# KiCad board pce-gt-controller.kicad_pcb
title: PC Engine GT Controller PCB (Original); date: 2023-12-31; rev: BF1.1; company: The Board Folk Team
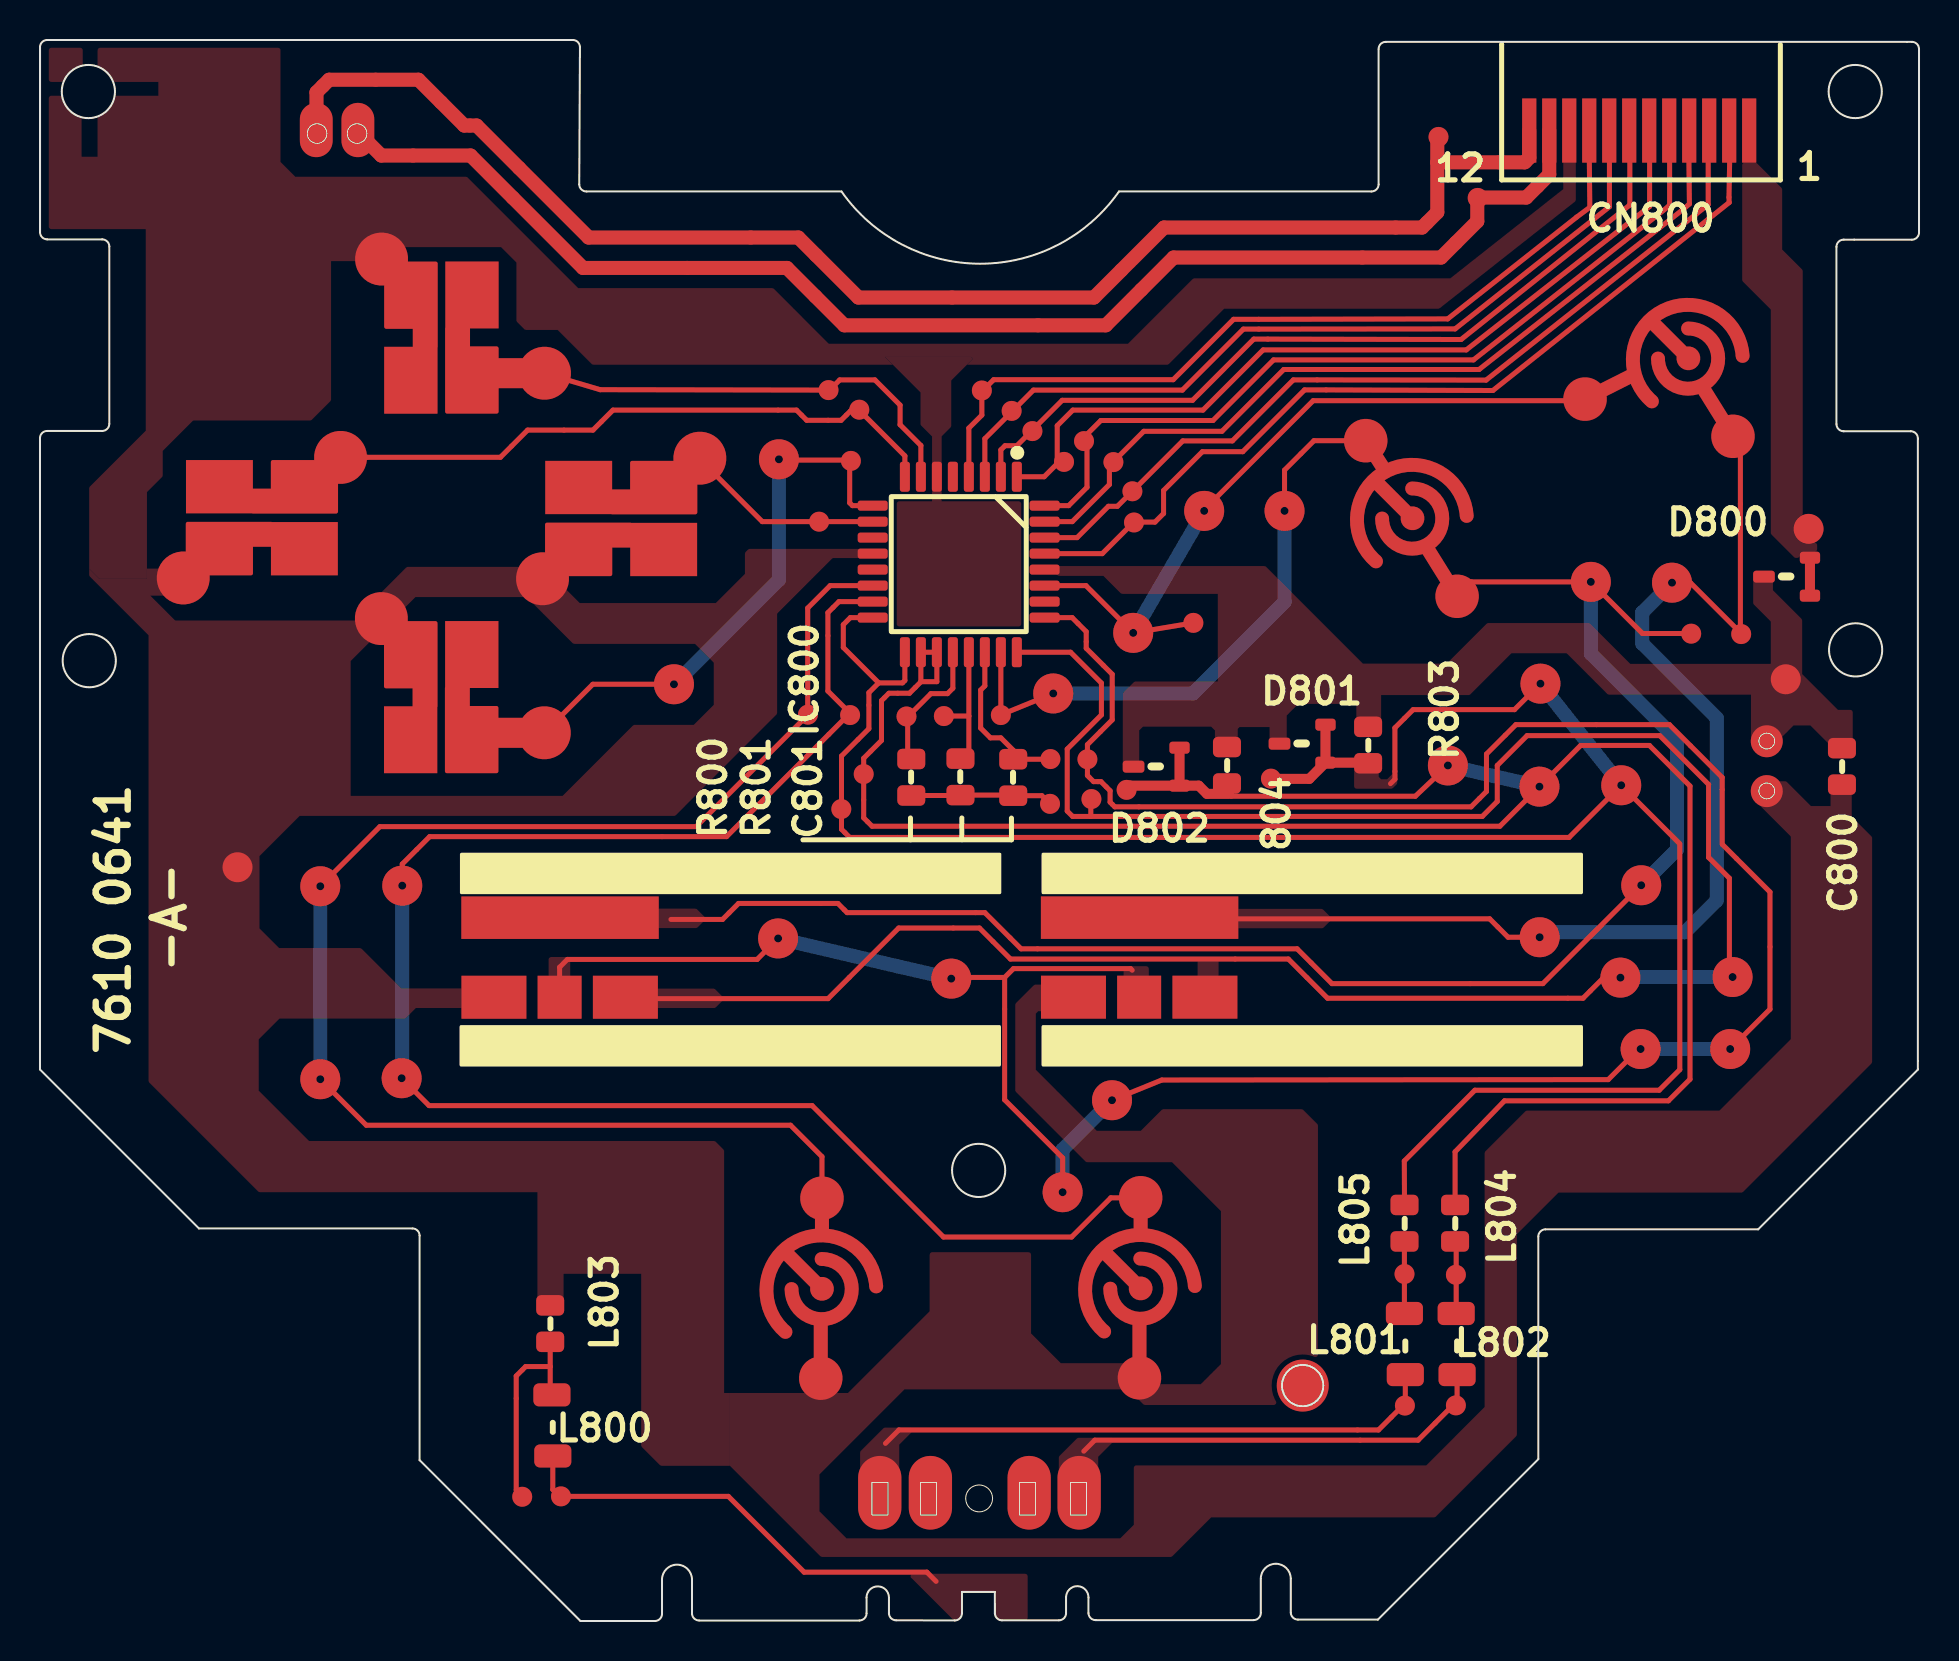
[diagram p0: board, top side]
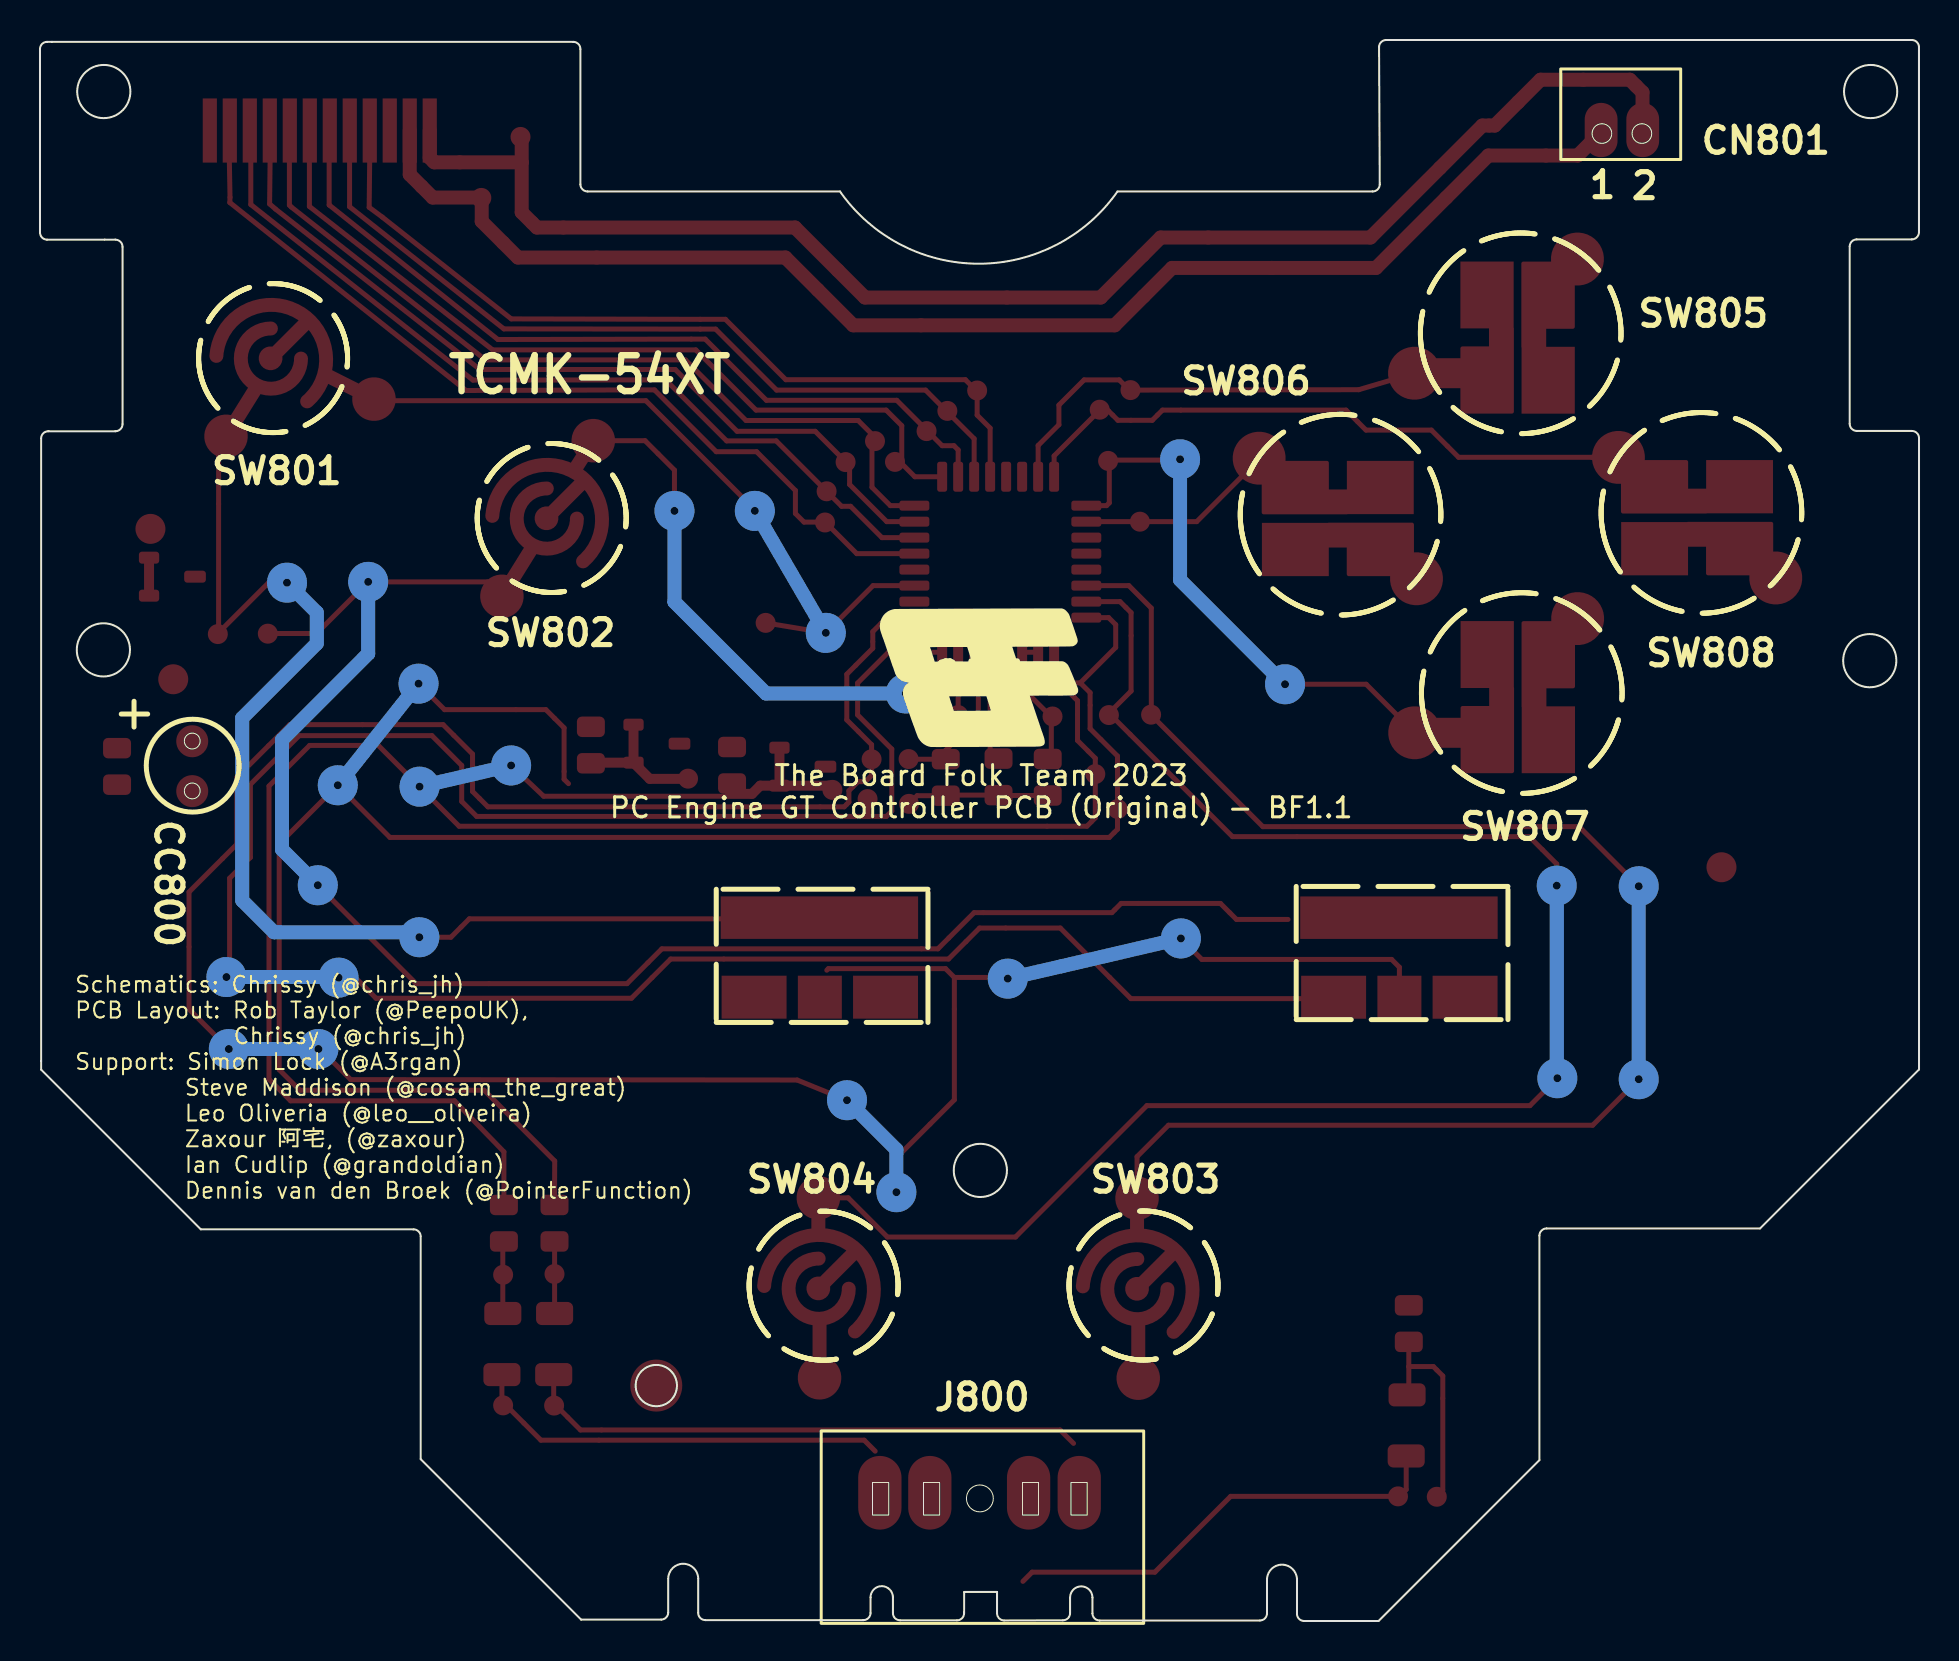
[diagram p1: board, bottom side, seen from below]

Outline 93.98 x 79.06 mm; copper layers: Top, Bottom. Coordinates in mm from the lower left corner of the outline.
Outline path: circle c2.42,76.48 r1.33 ; circle c2.46,48.02 r1.33 ; circle c46.95,22.53 r1.33 ; circle c63.16,11.77 r1.03 ; circle c90.79,76.48 r1.33 ; circle c90.81,48.56 r1.33 ; 66.59,71.49 53.97,71.49 arc(47.03,67.87) 40.09,71.49 27.33,71.49 arc(27.08,71.59) 26.97,71.84 27.01,78.7 arc(26.9,78.96) 26.65,79.06 0.36,79.06 arc(0.11,78.96) 0,78.7 0,69.45 arc(0.11,69.19) 0.36,69.09 3.11,69.09 arc(3.36,68.99) 3.47,68.73 3.47,59.87 arc(3.36,59.61) 3.11,59.51 0.36,59.51 arc(0.1,59.41) 0,59.15 0,27.58 7.95,19.63 18.63,19.63 arc(18.88,19.53) 18.99,19.27 18.99,8.04 27.03,0 30.75,0 arc(31.01,0.1) 31.11,0.36 31.11,2.07 arc(31.86,2.82) 32.61,2.07 32.61,0.38 arc(32.72,0.13) 32.97,0.03 40.98,0.03 arc(41.24,0.13) 41.34,0.38 41.34,1.17 arc(41.9,1.73) 42.46,1.17 42.46,0.39 arc(42.57,0.14) 42.82,0.04 45.76,0.03 arc(46.01,0.13) 46.11,0.39 46.11,1.45 47.76,1.45 47.76,0.39 arc(47.87,0.14) 48.12,0.03 50.96,0.04 arc(51.22,0.14) 51.32,0.39 51.32,1.18 arc(51.88,1.74) 52.44,1.18 52.44,0.4 arc(52.55,0.15) 52.8,0.05 60.7,0.05 arc(60.96,0.15) 61.06,0.4 61.06,2.11 arc(61.81,2.86) 62.56,2.11 62.56,0.43 arc(62.67,0.17) 62.92,0.07 66.92,0.07 74.94,8.09 74.94,19.23 arc(75.05,19.48) 75.3,19.59 85.94,19.59 93.93,27.57 93.93,59.14 arc(93.82,59.39) 93.57,59.5 90.21,59.5 arc(89.96,59.6) 89.86,59.85 89.86,68.72 arc(89.96,68.97) 90.21,69.08 93.63,69.08 arc(93.88,69.18) 93.98,69.43 93.98,78.61 arc(93.88,78.86) 93.63,78.97 67.31,78.97 arc(67.06,78.86) 66.96,78.61 ; 66.6,71.49 arc(66.85,71.59) 66.95,71.84 66.95,78.6

## Placement (name value [footprint] x y rotation side)
C800  10nF  [Resistor 0805 SMD]  90.13 42.74 270 top
C801  15nF  [Resistor 0805 SMD]  48.68 42.18 90 top
CC800  47uF 6.3v  [CC800 Electrolytic]  86.37 43.99 270 top
CN800  Conn_01x12  [CN800]  79.51 74.22 0 top
CN801  AUDIO  [CN801]  14.86 75.22 0 top
D800  BAV70  [Diode SOT-23]  87.36 52.23 0 top
D801  BAV70  [Diode SOT-23]  63.13 43.88 0 top
D802  BAV70  [Diode SOT-23]  55.83 42.73 0 top
G***  LOGO  [BoardFolk]  47.01 47.17 180 bottom
IC800  BU5782K  [IC800]  45.82 52.88 270 top
J800  LINK  [J800]  47.02 6.91 0 top
L800  FerriteBead_Small  [Ferrite]  25.66 9.69 180 top
L801  FerriteBead_Small  [Ferrite]  68.3 13.76 180 top
L802  FerriteBead_Small  [Ferrite]  70.89 13.76 180 top
L803  FerriteBead_Small  [Resistor 0805 SMD]  25.52 14.87 270 top
L804  FerriteBead_Small  [Resistor 0805 SMD]  70.78 19.89 270 top
L805  FerriteBead_Small  [Resistor 0805 SMD]  68.25 19.89 270 top
NOREF  -  [unnamed]  49.64 59.5 0 top
NOREF#2  -  [unnamed]  40.56 58.01 0 top
NOREF#3  -  [unnamed]  61.57 42.12 0 top
NOREF#4  -  [unnamed]  43.34 45.23 0 top
NOREF#5  -  [unnamed]  38.41 45.32 0 top
NOREF#6  -  [unnamed]  38.97 54.97 0 top
NOREF#7  -  [unnamed]  48.06 45.3 0 top
NOREF#8  -  [unnamed]  39.44 61.55 0 top
NOREF#9  -  [unnamed]  54.72 54.93 0 top
NOREF#10  -  [unnamed]  52.59 41.1 0 top
NOREF#11  -  [unnamed]  52.39 43.09 0 top
NOREF#12  -  [unnamed]  24.12 6.21 0 top
NOREF#13  -  [unnamed]  54.64 56.49 0 top
NOREF#14  -  [unnamed]  54.35 41.56 0 top
NOREF#15  -  [unnamed#2]  87.32 47.09 0 top
NOREF#16  -  [unnamed]  52.22 59 0 top
NOREF#17  -  [unnamed]  85.09 49.35 0 top
NOREF#18  -  [unnamed]  53.69 57.95 0 top
NOREF#19  -  [unnamed#3]  63.16 11.77 0 top
NOREF#20  -  [unnamed]  47.11 61.53 0 top
NOREF#21  -  [unnamed]  40.52 45.3 0 top
NOREF#22  -  [unnamed]  70.82 17.31 0 top
NOREF#23  -  [unnamed]  40.08 40.6 0 top
NOREF#24  -  [unnamed]  45.21 45.25 0 top
NOREF#25  -  [unnamed]  50.52 40.86 0 top
NOREF#26  -  [unnamed]  69.95 74.21 0 top
NOREF#27  -  [unnamed]  68.27 10.77 0 top
NOREF#28  -  [unnamed]  70.82 10.78 0 top
NOREF#29  -  [unnamed]  51.22 57.96 0 top
NOREF#30  -  [unnamed]  57.69 49.91 0 top
NOREF#31  -  [unnamed]  41.2 42.35 0 top
NOREF#32  -  [unnamed#2]  9.88 37.69 0 top
NOREF#33  -  [unnamed]  71.91 71.16 0 top
NOREF#34  -  [unnamed]  68.25 17.35 0 top
NOREF#35  -  [unnamed#2]  88.46 54.61 0 top
NOREF#36  -  [unnamed]  50.54 43.1 0 top
NOREF#37  -  [unnamed]  82.59 49.37 0 top
NOREF#38  -  [unnamed]  40.98 60.57 0 top
NOREF#39  -  [unnamed]  48.6 60.51 0 top
NOREF#40  -  [unnamed]  26.06 6.23 0 top
R800  9.1K  [Resistor 0805 SMD]  43.58 42.19 90 top
R801  100K  [Resistor 0805 SMD]  46.04 42.21 90 top
R803  1.1K ??  [Resistor 0805 SMD]  66.43 43.8 270 top
R804  1.1K ??  [Resistor 0805 SMD]  59.37 42.79 270 top
SW801  I  [Switch Type 3]  82.45 58.46 0 top
SW802  II  [Switch Type 2]  68.6 55.15 0 top
SW803  SELECT  [Switch Type 1]  39.01 12.19 0 top
SW804  RUN  [Switch Type 1]  54.95 12.21 0 top
SW805  UP  [Switch Type 4]  20.1 67.61 0 top
SW806  RIGHT  [Switch Type 5]  28.95 55.14 0 top
SW807  DOWN  [Switch Type 4]  20.09 49.63 0 top
SW808  LEFT  [Switch Type 5]  10.98 55.18 0 top
SW809  I TURBO  [Turbo Switch]  55.04 36.34 0 top
SW810  II TURBO  [Turbo Switch]  26.05 36.33 0 top

## Library data of the parts
C800 C801 = -: Description: Unpolarized capacitor, small symbol
CC800 = -: Description: Polarized capacitor, small symbol
CN800 = -: Description: Generic connector, single row, 01x12, script generated (kicad-library-utils/schlib/autogen/connector/)
CN801 = -: Description: Generic connector, single row, 01x02, script generated (kicad-library-utils/schlib/autogen/connector/)
D800-D802 = -: Description: Dual 100V 215mA high-speed switching diodes, common cathode, SOT-23
J800 = -: Description: Audio Jack, 2 Poles (Mono / TS), Grounded Sleeve
L800-L805 = -: Description: Ferrite bead, small symbol
R800 R801 R803 R804 = -: Description: Resistor, small symbol
SW801-SW808 = -: Description: Push button switch, generic, two pins
SW809 SW810 = -: Description: Switch, three position, single pole triple throw, 3 position switch, SP3T

## Footprints (pads in the part's own frame, mm; a bottom-side part is the same pattern mirrored in y, then rotated)
CC800 Electrolytic
  round 1.6 smd: 1(0,0) 2(2.494,0)
CN800
  rect 0.71x3.21 smd: 1(5.98,0.31) 2(4.98,0.31) 3(3.98,0.31) 4(2.98,0.31) 5(1.98,0.31) 6(0.98,0.31) 7(-0.02,0.31) 8(-1.02,0.31) 9(-2.02,0.31) 10(-3.02,0.31) 11(-4.02,0.31) 12(-5.02,0.31)
CN801
  oval 1.643x2.715 smd: 1(-1.041,-0.664) 2(1.04,-0.664)
Diode SOT-23
  rrect 1.015x0.6 smd: 1(1.167,-0.96) 2(1.167,0.94)
  rrect 1.085x0.6 smd: 3(-1.133,-0.01)
Ferrite
  rrect 1.854x1.154 smd: 1(0.055,-1.615) 2(0.01,1.44)
IC800
  rrect 1.5x0.5 smd: 1(-4.345,3.04) 2(-4.345,2.24) 3(-4.345,1.44) 4(-4.345,0.64) 5(-4.345,-0.16) 6(-4.345,-0.96) 7(-4.345,-1.76) 8(-4.345,-2.56) 17(4.43,-2.56) 18(4.43,-1.76) 19(4.43,-0.96) 20(4.43,-0.16) 21(4.43,0.64) 22(4.43,1.44) 23(4.43,2.24) 24(4.43,3.04)
  rrect 0.5x1.5 smd: 9(-2.9,-4.17) 10(-2.1,-4.17) 11(-1.3,-4.17) 12(-0.5,-4.17) 13(0.3,-4.17) 14(1.1,-4.17) 15(1.9,-4.17) 16(2.7,-4.17) 25(2.7,4.43) 26(1.9,4.43) 27(1.1,4.43) 28(0.3,4.43) 29(-0.5,4.43) 30(-1.3,4.43) 31(-2.1,4.43) 32(-2.9,4.43)
J800
  oval 2.165x3.685 smd: G(-2.48,-0.497) G(2.46,-0.497) S(-5.013,-0.497) T(4.96,-0.497)
Resistor 0805 SMD
  rrect 1.025x1.4 smd: 1(-0.912,0) 2(0.912,0)
Switch Type 1
  custom 6.188x8.123 smd: 1(0.1,8.95)
  custom 3.708x7.399 smd: 2(0.04,-0.05)
Switch Type 2
  custom 6.491x7.473 smd: 1(-2.29,3.87)
  custom 5.189x6.829 smd: 2(2.28,-3.91)
Switch Type 3
  custom 9.321x6.151 smd: 1(-5.17,2.64)
  custom 5.189x6.829 smd: 2(2.23,0.78)
Switch Type 4
  custom 6.295x7.605 smd: 1(1.506,-1.298)
  custom 4.131x9.057 smd: 2(-1.551,-5.56)
Switch Type 5
  custom 9.057x4.131 smd: 1(-2.01,1.54) 2(2.24,-1.56)
Turbo Switch
  rect 3.25x2.15 smd: 1(-3.35,-5.14) 4(3.225,-5.14)
  rect 2.2x2.15 smd: 2(-0.065,-5.14)
  rect 9.875x2.125 smd: 3(-0.043,-1.163)
unnamed
  round 1 smd: 0(0,0)
unnamed#2
  round 1.5 smd: 0(0,0)
unnamed#3
  round 2.6 smd: 0(0,0)

## Nets
+5v: CN800.1 D800.1 D800.2 NOREF#35.0
GND: C800.2 CC800.2 CN800.10 IC800.6 IC800.12 L803.1 NOREF#32.0 SW803.2 SW804.2 SW805.2 SW806.2 SW807.2 SW808.2 SW809.1 SW810.1
VCC: C800.1 CC800.1 D800.3 D801.3 D802.3 IC800.28 NOREF#15.0 R803.1 R804.1
AUDIO_L: CN800.11 CN801.2 NOREF#33.0
AUDIO_R: CN800.12 CN801.1 NOREF#26.0
CLR: CN800.7 IC800.2 NOREF.0
D0: CN800.2 IC800.29 NOREF#9.0
D1: CN800.3 IC800.30 NOREF#13.0
D2: CN800.4 IC800.31 NOREF#18.0
D3: CN800.5 IC800.32 NOREF#16.0
DOWN: IC800.9 NOREF#2.0 SW807.1
I: IC800.27 NOREF#30.0 SW801.1
II: IC800.23 NOREF#7.0 SW802.1
JLINK 1: J800.S L801.2 NOREF#27.0
JLINK 2: J800.T L802.2 NOREF#28.0
LEFT: IC800.8 NOREF#38.0 SW808.1
LINK 1: D801.1 D801.2 IC800.16 IC800.17 L805.1 NOREF#3.0 NOREF#23.0 R803.2
LINK 2: D802.1 D802.2 IC800.18 IC800.19 L804.1 NOREF#14.0 NOREF#31.0 R804.2
LINK GND: J800.G L800.2 NOREF#40.0
RESET: CN800.9 IC800.4 NOREF#20.0
RIGHT: IC800.10 NOREF#6.0 SW806.1
RUN: IC800.15 NOREF#21.0 SW804.1
SEL: CN800.6 IC800.1 NOREF#29.0
SELECT: IC800.14 NOREF#5.0 SW803.1
SLEEP: CN800.8 IC800.3 NOREF#39.0
TURBO FAST: IC800.24 NOREF#10.0 SW809.4 SW810.4
TURBO SLOW: IC800.25 NOREF#11.0 SW809.2 SW810.2
UP: IC800.7 NOREF#8.0 SW805.1
Net-(C801-Pad1): C801.1 NOREF#25.0 R800.1 R801.1
Net-(IC800-C801-OSC): C801.2 IC800.22 NOREF#36.0
Net-(IC800-R800-OSC): IC800.20 NOREF#4.0 R800.2
Net-(IC800-R801-OSC): IC800.21 NOREF#24.0 R801.2
Net-(L800-Pad1): L800.1 L803.2 NOREF#12.0
Net-(L801-Pad1): L801.1 L805.2 NOREF#34.0
Net-(L802-Pad1): L802.1 L804.2 NOREF#22.0
Net-(SW801-Pad2): NOREF#17.0 SW801.2 SW809.3
Net-(SW802-Pad2): NOREF#37.0 SW802.2 SW810.3

Pads without a net: IC800 5 11 13 26; NOREF#19 0

## Via types
v1: diameter 2, hole 0.4, Top to Bottom, 26 vias

## Routing (per net, layer and track width the routed paths; a pad name or vN(x,y) marks a point on that pad's centre or on a via; arc(x,y) is an arc through that point)
+5v: length 1.9
  Top w0.5: D800.2 D800.1
AUDIO_L: length 69.6
  Top w0.7: CN800.11 75.49,72.33 74.34,71.18 71.89,71.18 71.89,69.99 70.08,68.18 56.7,68.18 53.31,64.79 40.23,64.79 37.36,67.66 27.16,67.66 21.54,73.28 17.07,73.28 15.9,74.45
AUDIO_R: length 74.3
  Top w0.7: 69.94,74.17 69.89,74.12 69.89,72.94 ; CN800.12 74.49,73.17 74.26,72.94 69.89,72.94 ; 69.89,72.94 69.89,70.44 69.13,69.68 56.22,69.68 52.72,66.18 40.93,66.18 37.93,69.18 27.44,69.18 21.84,74.78 21.22,74.78 18.93,77.07 14.46,77.07 13.83,76.44 13.83,74.51
CLR: length 41.2
  Top w0.25: IC800.2 48.06,58.56 48.27,58.77 48.86,58.77 51.13,61.04 57.65,61.04 60.71,64.1 61.41,64.1 71.08,64.08 79.51,70.8 79.52,70.81 79.52,74.51
D0: length 45.1
  Top w0.25: IC800.29 53.13,53.38 54.71,54.95 55.77,54.95 56.2,55.38 56.2,56.53 58.14,58.47 60.16,58.47 63.25,61.56 64.33,61.56 72.67,61.53 84.49,70.93 84.48,71.19 84.54,74.45
D1: length 43.2
  Top w0.25: IC800.30 51.87,54.18 53.44,55.74 53.89,55.74 57.16,59.01 59.64,59.01 62.69,62.06 63.88,62.06 72.33,62.05 83.44,70.83 83.44,74.46 83.48,74.5
D2: length 42.3
  Top w0.25: IC800.31 51.63,54.98 53.49,56.83 53.49,57.77 55.21,59.49 59.12,59.49 62.21,62.58 71.98,62.58 82.2,70.6 82.5,70.86 82.46,74.33
D3: length 41.5
  Top w0.25: IC800.32 51.45,55.78 52.37,56.69 52.37,59.34 53.06,60.03 58.67,60.03 61.7,63.06 71.7,63.06 81.42,70.71 81.51,70.8 81.51,73.8
DOWN: length 28
  Top w0.25: v1(31.71,46.84) 27.65,46.84 25.13,44.32 ; v1(36.96,58.09) 37,58.05 40.5,58.05 40.5,55.91 40.64,55.78 IC800.9
  Bottom w0.7: v1(36.96,58.09) 36.96,52.06 31.74,46.84 v1(31.71,46.84)
I: length 36.9
  Top w0.25: IC800.27 52.32,51.78 v1(54.68,49.41) NOREF#30.0 ; v1(58.23,55.51) 58.23,55.57 63.68,61.02 77.2,61.02 SW801.1
  Bottom w0.7: v1(54.68,49.41) v1(58.23,55.51)
II: length 30.7
  Top w0.25: SW802.1 63.72,59.02 62.25,57.55 v1(62.25,55.51) ; IC800.23 48.06,45.31 v1(50.68,46.38)
  Bottom w0.7: v1(62.25,55.51) 62.25,50.96 57.67,46.38 v1(50.68,46.38)
JLINK 1: length 28.3
  Top w0.25: 42.29,8.88 42.96,9.55 66.95,9.55 68.29,10.89 L801.2
JLINK 2: length 21
  Top w0.25: L802.2 70.88,10.99 68.93,9.04 52.76,9.04 52.21,8.49
LEFT: length 31.6
  Top w0.25: 15.04,58.17 15.06,58.19 23.03,58.19 24.39,59.55 27.66,59.55 28.66,60.55 37.84,60.55 38.35,60.04 40.07,60.04 40.54,60.51 41.01,60.51 43.26,58.26 IC800.8
LINK 1: length 114.4
  Top w0.25: 41.95,46.91 41.46,46.42 41.46,44.62 40.09,43.25 40.09,39.59 40.5,39.18 76.48,39.18 v1(79.09,41.79) 82.02,38.86 82.02,27.57 80.99,26.54 71.77,26.54 68.24,23 L805.1 ; 41.95,46.91 40.18,48.68 40.18,49.82 40.53,50.18 IC800.16 ; 41.95,46.91 43.14,46.91 43.26,47.03 IC800.17 ; 67.55,41.87 67.77,42.09 67.77,44.66 68.68,45.57 73.75,45.57 v1(75.05,46.87)
  Top w0.5: 61.54,42.11 63.49,42.11 D801.1 ; D801.1 66.4,42.92 R803.2 ; D801.1 D801.2
  Bottom w0.7: v1(79.09,41.79) v1(75.05,46.87)
LINK 2: length 111.4
  Top w0.25: v1(70.42,42.78) 68.79,41.24 59.59,41.24 59.47,41.36 ; 44.07,46.97 44.86,46.97 IC800.19 IC800.18 44.06,46.98 44.07,46.97 ; 44.07,46.97 43.49,46.39 42.46,46.39 42.09,46.02 42.09,44.03 41.2,43.14 41.2,40.16 41.62,39.74 73.02,39.74 v1(75,41.72) 77.06,43.78 80.5,43.78 82.53,41.75 82.53,27.09 81.45,26.01 73.25,26.01 70.78,23.46 L804.1
  Top w0.5: 59.47,41.36 58.37,41.36 57.96,41.77 D802.1 ; D802.2 D802.1 ; D802.1 54.55,41.77 54.34,41.56
  Bottom w0.7: v1(75,41.72) v1(70.42,42.78)
LINK GND: length 22.8
  Top w0.25: L800.2 25.65,6.57 25.99,6.23 34.43,6.23 38.22,2.44 44.36,2.44 44.82,1.98
RESET: length 42
  Top w0.25: 77.48,74.3 77.52,70.69 76.86,70.2 70.41,65.11 60.96,65.09 59.7,65.09 56.68,62.07 47.7,62.07 47.11,61.48 47.11,60.3 46.46,59.65 IC800.4
RIGHT: length 10.1
  Top w0.25: IC800.10 36.13,54.98 32.92,58.18
RUN: length 85.3
  Top w0.25: IC800.15 39.96,50.98 39.41,50.42 39.41,46.5 40.51,45.4 40.51,45.39 34.34,39.22 19.49,39.22 18.12,37.85 v1(18.12,36.77) ; SW804.1 53.56,21.16 51.6,19.2 45.19,19.2 38.62,25.77 19.46,25.77 v1(18.09,27.14)
  Top w0.7: 18.12,27.17 v1(18.09,27.14)
  Bottom w0.7: v1(18.12,36.77) 18.12,27.17
SEL: length 41.5
  Top w0.25: 80.51,74.34 80.51,70.74 80.49,70.72 71.34,63.56 61.18,63.56 58.17,60.55 51.66,60.55 50.88,59.77 50.88,57.87 50.23,57.22 IC800.1
SELECT: length 75.4
  Top w0.25: SW803.1 39.11,23.22 37.54,24.79 16.32,24.79 v1(14.02,27.09) ; IC800.14 39.52,51.78 38.4,50.65 38.4,45.3 32.82,39.72 17,39.72 v1(14.02,36.74)
  Bottom w0.7: v1(14.02,36.74) v1(14.02,27.09)
SLEEP: length 41
  Top w0.25: 78.52,74.22 78.5,74.2 78.5,70.72 70.78,64.61 60.96,64.6 60.19,64.6 57.14,61.55 49.69,61.55 47.26,59.12 IC800.3
TURBO FAST: length 118.2
  Top w0.25: 29.25,31.12 39.42,31.12 42.95,34.65 46.99,34.65 48.54,33.1 62.44,33.1 64.4,31.14 77.18,31.14 78.21,32.17 v1(79.05,32.17) ; 84.71,31.93 84.66,31.98 v1(84.66,32.2) 84.44,32.2 84.5,32.14 84.5,37.14 83.46,38.18 83.46,41.83 81.02,44.27 74.38,44.27 72.89,42.78 72.89,40.98 72.14,40.23 52.56,40.23 ; IC800.24 51.55,48.45 53.09,46.9 53.09,45.31 51.38,43.6 51.38,40.5 51.65,40.23 52.56,40.23 ; 52.56,40.23 52.56,41.05 52.57,41.06
  Bottom w0.7: v1(79.05,32.17) 79.08,32.2 v1(84.66,32.2)
TURBO SLOW: length 143.2
  Top w0.25: v1(80.06,28.6) 79.97,28.6 78.44,27.07 56.11,27.05 v1(53.62,26.04) ; SW810.2 25.99,32.69 26.38,33.08 35.87,33.08 v1(36.92,34.13) ; 48.25,32.18 48.69,32.62 54.55,32.62 54.63,32.54 ; 48.25,32.18 48.25,26.06 51.15,23.16 v1(51.15,21.44) ; 48.25,32.18 45.64,32.18 v1(45.58,32.12) ; v1(84.54,28.6) 86.53,30.59 86.53,36.45 84.14,38.84 84.14,42.18 81.5,44.82 73.82,44.82 72.35,43.35 72.35,41.48 71.58,40.71 53.76,40.71 53.52,40.95 53.52,41.52 53.07,41.97 52.7,41.97 52.39,42.28 52.39,43.82 53.63,45.06 53.63,47.34 52.33,48.64 52.33,49.47 51.63,50.18 IC800.25
  Bottom w0.7: v1(53.62,26.04) 51.15,23.57 v1(51.15,21.44) ; v1(36.92,34.13) 42.88,32.74 v1(45.58,32.12) ; v1(84.54,28.6) v1(80.06,28.6) 80.05,28.61
UP: length 22.7
  Top w0.25: 25.23,62.38 25.23,62.37 25.99,62.17 28.02,61.57 39.49,61.55 40,62.06 41.76,62.06 43.02,60.8 43.02,59.82 44.06,58.78 IC800.7
Net-(C801-Pad1): length 7.1
  Top w0.25: NOREF#25.0 50.11,41.27 C801.1 48.65,41.3 R801.1 46.02,41.28 R800.1
Net-(IC800-C801-OSC): length 8.3
  Top w0.25: IC800.22 47.26,46.76 47.05,46.55 47.05,44.65 47.54,44.16 48.06,44.16 48.68,43.54 C801.2 50.53,43.1 NOREF#36.0
Net-(IC800-R800-OSC): length 6.8
  Top w0.25: IC800.20 45.66,46.64 45.39,46.37 44.56,46.37 43.4,45.21 43.4,43.29 R800.2
Net-(IC800-R801-OSC): length 6.7
  Top w0.25: IC800.21 46.46,45.25 ; 46.46,45.25 46.46,43.55 R801.2 ; 46.46,45.25 45.24,45.25
Net-(L800-Pad1): length 10.7
  Top w0.25: 25.52,12.72 25.52,11.39 L800.1 ; 25.52,12.72 24.29,12.72 23.82,12.25 23.82,6.55 24.12,6.25 ; 25.52,12.72 L803.2
Net-(L801-Pad1): length 3.6
  Top w0.25: L805.2 68.25,18.98 L801.1
Net-(L802-Pad1): length 3.6
  Top w0.25: L804.2 70.84,18.92 L802.1
Net-(SW801-Pad2): length 60.3
  Top w0.25: SW801.2 85.05,58.87 85.05,49.42 82.55,51.92 v1(81.63,51.92) ; 57.18,35.11 72.51,35.11 73.43,34.19 v1(75.01,34.19)
  Bottom w0.7: v1(81.63,51.92) 80.14,50.43 80.14,48.88 83.87,45.15 83.87,36.03 82.28,34.44 75.32,34.44 v1(75.01,34.19)
Net-(SW802-Pad2): length 83.4
  Top w0.25: SW802.2 71.6,51.96 v1(77.57,51.96) 80.15,49.38 82.58,49.38 ; 31.56,35.08 34.14,35.08 34.94,35.88 39.91,35.88 40.37,35.42 47.26,35.42 49.07,33.61 62.88,33.61 64.62,31.87 75.17,31.87 v1(80.09,36.79)
  Bottom w0.7: v1(77.57,51.96) 77.57,48.37 81.88,44.06 81.88,38.58 v1(80.09,36.79) 80.09,36.69

## Copper pours and planes (outline as drawn; the poured copper is in the pictures)
+5v on Top: 85.84,73.65 85.84,72.93 87.14,71.63 87.14,68.58 88.17,67.55 88.17,54.86 88.89,54.14 88.89,53.34 88.71,53.16 87.77,53.16 86.57,54.36 86.57,65.58 85.14,67.01 85.14,72.95
GND on Top: 16.68,50.55 16.68,51.04 18.35,52.71 24.57,52.71 24.95,52.33 24.95,51.53 24.62,51.2 18.78,51.2 18.01,50.43 16.8,50.43
GND on Top: 42.27,63.21 44.04,61.44 44.04,59.81 44.62,59.23 44.62,55.99 42.85,55.99 42.85,49.73 49.08,49.73 49.08,55.99 45.1,55.99 45.1,59.24 45.58,59.72 45.58,62.03 46.67,63.12 46.58,63.21
GND on Top: 86.39,41.99 87.34,41.99 88.58,40.75 89.56,40.75 89.56,41.86 90.52,41.86 90.62,41.76 90.62,40.22 91.64,39.2 91.64,27.91 85.15,21.42 75.95,21.42 73.87,19.34 73.87,9.27 69.78,5.18 58.58,5.18 56.6,3.2 39.07,3.2 34.51,7.76 34.51,11.4 40.41,11.4 44.5,15.49 44.5,18.44 49.57,18.44 49.57,14.38 51.06,12.89 55,12.89 55,11.9 54.68,11.58 43.24,11.58 38.99,7.33 38.99,5.48 40.34,4.13 54.03,4.13 54.71,4.81 54.71,7.78 69.34,7.78 72.26,10.7 72.26,23.45 74.33,25.52 84,25.52 87.57,29.09 87.57,39.23 85.84,40.96 85.84,41.44
GND on Top: 55.11,12.36 55.63,11.84 58.06,11.84 59.07,12.85 59.07,20.49 56.62,22.94 52.33,22.94 48.78,26.49 48.78,30.86 49.74,31.82 51.07,31.82 51.4,31.49 51.4,30.84 51.05,30.49 49.93,30.49 49.81,30.37 49.81,27.56 52.86,24.51 55.06,24.51 56.14,25.59 63.15,25.59 63.92,24.82 63.92,10.8 55.22,10.8 54.64,11.38 54.64,11.89
GND on Top: 34.51,11.4 34.22,11.4 34.22,23.54 33.76,24 13.46,24 10.94,26.52 10.94,29.08 11.98,30.12 18.27,30.12 18.8,30.65 22.3,30.65 22.31,30.64 22.57,30.9 22.57,31.43 22.37,31.63 18.07,31.63 16.05,33.65 11.96,33.65 10.98,34.63 10.98,38.25 12.99,40.26 31.77,40.26 36.87,45.36 36.87,50.37 39.65,53.15 41.26,53.15 41.47,53.36 41.47,53.37 41.23,53.61 35.45,53.61 35.26,53.42 35.26,52.36 33.8,50.9 27,50.9 25.99,51.91 24.77,51.91 24.47,51.61 24.47,51.07 26.68,48.86 32.76,48.86 33.7,47.92 33.7,45.81 32.7,44.81 29.69,44.81 26.14,41.26 15.54,41.26 15.54,48 16.72,49.18 16.72,49.82 16.51,50.03 6.76,50.03 5.52,51.27 7.61,51.27 7.62,51.26 7.62,51.99 6.99,52.62 2.46,52.62 2.46,52.26 5.43,49.29 5.43,26.96 10.95,21.44 24.88,21.44 24.88,15.93 26.19,15.93 26.19,17.35 26.2,17.36 30.07,17.36 30.07,8.73 31.04,7.76 34.51,7.76
GND on Top: 2.46,52.62 2.46,56.69 5.29,59.52 5.29,69.6 0.44,69.6 0.44,76.27 2.08,76.27 2.08,73.23 2.09,73.22 2.88,73.22 2.88,76.26 2.89,76.27 5.92,76.27 5.92,76.96 2.88,76.96 2.88,78.67 12.03,78.67 12.03,72.96 12.77,72.22 21.35,72.22 26.92,66.65 36.67,66.65 39.45,63.87 54.42,63.87 57.69,67.14 70.54,67.14 76.19,71.6 76.19,73.28 76.81,73.28 76.82,73.27 76.82,71.01 69.98,65.62 59.23,65.62 56.43,62.82 27.63,62.82 25.89,64.56 24.26,64.56 23.83,64.99 23.83,67.93 23.06,68.7 17.92,68.7 17.22,68 14.56,68 14.56,61.03 13.56,60.03 7.66,60.03 6.14,58.51 6.14,57.24 5.35,56.45 5.35,52.11 2.97,52.11
VCC on Top: 50.7,52.75 61.29,52.75 66.17,47.87 70.36,47.87 72.39,49.9 77.5,49.9 79.54,47.86 86.57,47.86 86.57,49.98 85.69,50.86 85.69,52.09 85.78,52.18 86.68,52.18 86.68,51.54 88.14,50.08 88.14,47.35 89.93,45.56 90.67,45.56 90.67,44.09 90.32,43.74 89.59,43.74 88.55,44.78 87.71,44.78 86.94,44.01 85.58,44.01 85.58,46.32 78.43,46.32 76.36,48.39 73.6,48.39 71.51,46.3 67.08,46.3 67.08,44.51 65.88,44.51 65.84,44.55 65.84,45.76 65.74,45.86 62.94,45.86 62.36,45.28 62.36,43.93 62.21,43.78 61.64,43.78 61.5,43.92 61.5,44.7 60,44.7 59.91,44.61 59.91,43.7 59.69,43.48 59.13,43.48 58.77,43.84 58.77,44.53 58.58,44.72 55.17,44.72 54.98,44.53 54.98,42.72 55,42.7 54.17,42.7 54.16,42.71 54.16,46.39 54.75,46.98 58.91,46.98 58.91,51.36 54.09,51.36 53.19,52.26 50.92,52.26 50.7,52.48
(no net) on Top: 2.14,78.67 2.14,76.96 0.44,76.96 0.44,78.67
JLINK 1 on Top: 41.02,7.44 41.02,8.47 42.22,9.67 43.64,9.67 43.64,9.48 42.98,8.82 42.98,7.31 41.15,7.31
JLINK 2 on Top: 50.96,6.48 50.96,8.22 51.9,9.16 53.7,9.16 53.79,9.07 52.93,8.21 52.93,7.45 51.96,6.48
LINK 1 on Top: 65.73,42.69 65.73,41.59 67.61,41.59 67.89,41.87 67.89,42.7 67.65,42.7 67.65,42.36 67.38,42.09 67.08,42.09 66.96,42.21 66.96,42.61 66.88,42.69
LINK GND on Top: 43.16,2.36 49.4,2.36 49.4,0.03 45.71,0.03 43.62,2.12 43.04,2.12 43.04,2.24
TURBO FAST on Top: 28.06,31.62 33.74,31.62 34.24,31.12 33.77,30.65 28.65,30.65 28.06,31.24
TURBO FAST on Top: 57.9,33.1 57.9,32.01 58.95,32.01 58.95,33.1
TURBO SLOW on Top: 25.44,31.68 25.44,33.2 26.49,33.2 26.52,33.17 26.52,32.13 26.07,31.68
Net-(SW801-Pad2) on Top: 58.46,35.61 64.14,35.61 64.64,35.11 64.17,34.64 59.05,34.64 58.46,35.23
Net-(SW802-Pad2) on Top: 27.15,35.62 32.83,35.62 33.33,35.12 32.86,34.65 27.74,34.65 27.15,35.24

Small or netless copper shapes (teardrops, artwork), in the pictures only: 1 on Top

## Text on the board
B.Silkscreen: Schematics: Chrissy (@chris_jh) / PCB Layout: Rob Taylor (@PeepoUK), / Chrissy (@chris_jh) / Support: Simon Lock (@A3rgan) / Steve Maddison (@cosam_the_great) / Leo Oliveria (@leo__oliveira) / Zaxour 阿宅, (@zaxour) / Ian Cudlip (@grandoldian) / Dennis van den Broek (@PointerFunction) | The Board Folk Team 2023 / PC Engine GT Controller PCB (Original) - BF1.1 | 2 | 1 | TCMK-54XT
F.Silkscreen: 7610 0641 | -A-
